# KiCad board EBAZ4205.kicad_pcb (continued)
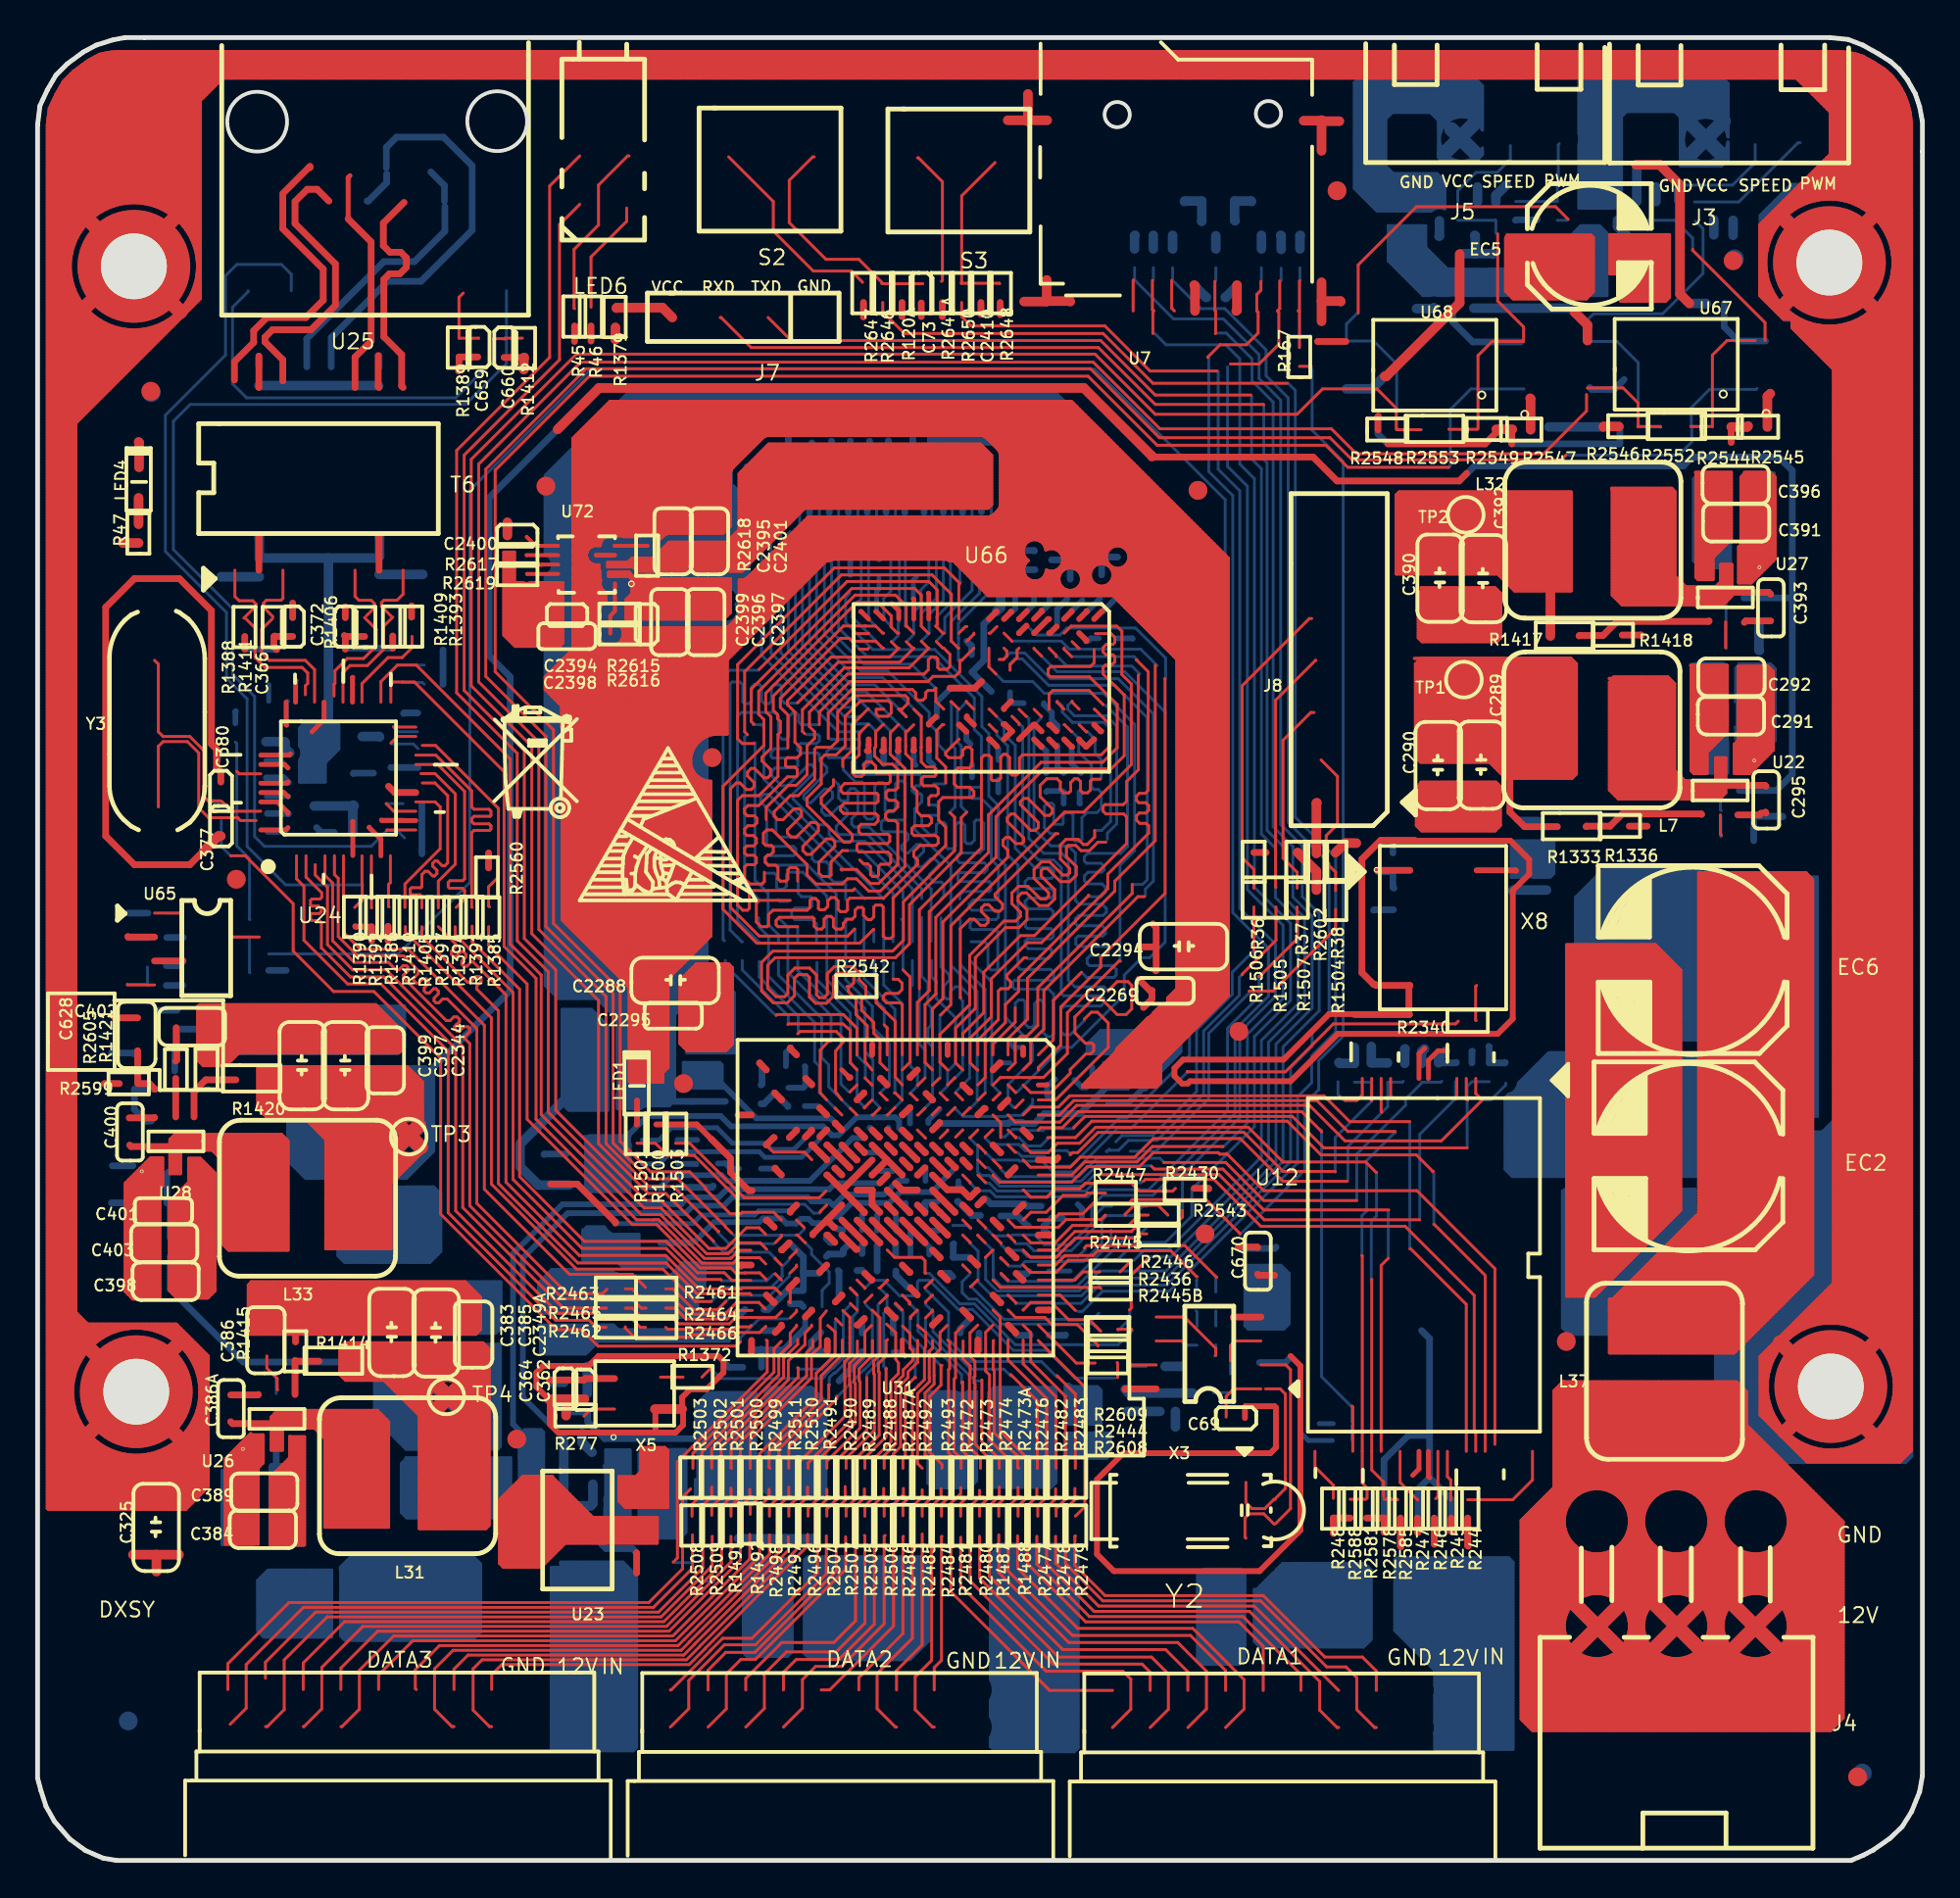
[diagram p0: board, top side]
## Routing (per net, layer and track width the routed paths; a pad name or vN(x,y) marks a point on that pad's centre or on a via; arc(x,y) is an arc through that point) (continued)
  Top w0.356: 44,34.48 44,34.5 42.01,36.49 41.99,36.49 ; 76.1,18.23 76.1,16.75 76.12,16.73 ; 49.65,32.05 50.01,31.69 50.03,31.69 ; 39.58,28.5 39.58,28.43 39.25,28.1 ; 45.21,38.08 45.6,37.69 45.6,37.68 ; 50.84,34.09 51.25,33.68 51.25,33.68 ; 14.98,26.58 13.73,26.58 13.7,26.6 13.7,24.8 ; 45.21,29.3 45.21,29.29 45.62,28.88 ; 44.83,32.88 44.82,32.88 43.6,34.09 ; 53.25,37.28 54.18,37.28 54.3,37.4 ; 17.78,48.95 17.78,49.7 ; 39.2,38.48 39.17,38.48 38.78,38.08 ; 70.72,18.23 71.7,18.23 ; 41.19,38.08 41.22,38.08 41.99,37.31 41.99,37.28 ; 41.99,38.08 42.02,38.08 43.22,36.88 ; 12.62,65.17 12.65,65.15 13.58,65.15 ; 40.05,43.25 40.05,43.21 40.39,42.88 ; 46.01,36.49 46,36.49 44.41,38.08 ; 27.23,24.53 27.28,24.48 27.28,23.33 ; 39.23,40.85 39.58,40.49 39.58,40.48 ; 5.33,43.1 5.33,41.38 5.35,41.35 5.95,41.35 6.25,41.05 ; 48.85,36.88 48.84,36.88 48.43,37.28 ; 63.62,28.9 63.65,28.93 65.1,28.93 ; 68.12,80.85 69.62,80.85 ; 20.12,56.84 19.01,56.84 18.68,57.17 ; 7.2,37.9 7.1,38 4.98,38 4.9,38.08 ; 91.97,55.75 91.95,55.78 91.95,55.8 ; 89.55,57.17 89.6,57.23 91.93,57.23 91.97,57.17 ; 43.2,41.68 43.22,41.68 ; 41.25,33.3 41.25,33.34 42.8,34.89 ; 51.22,82.28 51.22,82.92 ; 45.21,34.89 45.62,34.48 ; 41.99,34.09 42.38,33.7 42.4,33.7 ; 11.78,68.67 11.78,70.45 11.78,70.45 ; 8.85,53.75 8.1,53 5.15,53 3.62,54.53 3.62,66.7 5.15,68.23 7.55,68.23 9.25,66.53 9.25,59.42 9.53,59.15 9.53,58.15 9.75,57.92 9.75,57.4 ; 49.23,41.28 49.61,40.9 49.62,40.9 ; 46.82,34.09 46.84,34.09 47.99,32.94 ; 51.22,42.45 51.21,42.45 50.84,42.08 ; 47.62,40.48 47.62,40.48 47.28,40.83 ; 47.22,34.5 47.21,34.5 46.82,34.89 ; 48.83,34.5 48.81,34.5 47.62,35.69 ; 40,32.88 39.62,32.49 39.58,32.49 ; 19.9,66.17 19.9,66.78 ; 47.62,36.49 48.41,35.7 49.18,35.7 49.58,35.3 49.62,35.3 50,35.68 ; 16.33,65.2 16.38,65.15 ; 16.38,65.15 16.38,64.48 ; 16.38,65.15 17.4,65.15 ; 51.25,40.08 51.25,40.09 51.64,40.48 ; 46.01,39.68 46.03,39.68 46.43,40.08 ; 59.53,48.62 59.53,49.68 59.35,49.85 ; 59.53,48.62 58.6,48.62 ; 59.53,48.62 59.53,47.38 59.5,47.35 ; 90.47,55.65 91.62,55.65 91.72,55.75 ; 52.83,38.5 52.83,38.5 52.45,38.88 ; 27.23,25.58 29.08,25.58 29.15,25.65 30.7,25.65 ; 64.93,31.2 64.97,31.15 65.83,31.15 ; 71.35,76.88 71.33,76.85 71.33,76.15 ; 14.43,90.1 14.5,90.1 ; 46.01,34.09 47.23,32.88 ; 49.23,37.28 49.6,36.9 ; 57.88,25.08 57.9,25.1 59.53,25.1 ; 12.18,28.58 13.23,28.58 13.73,28.08 13.73,27.6 ; 49.62,34.48 49.62,34.49 49.23,34.89 ; 48.03,32.08 48.03,32.09 47.62,32.49 ; 7.35,39.58 7.35,41.62 ; 42.8,36.49 42.43,36.85 42.43,36.85 ; 42.8,33.29 43.56,32.53 43.6,32.53 ; 28.58,80.85 28.58,81.67 ; 71.85,75.4 77.03,75.4 77.62,76 77.62,76.17 ; 44.41,36.49 44.41,36.49 45.21,37.28 ; 38.03,35.65 37.85,35.65 36.88,36.62 36.88,37.38 35.85,38.4 ; 90.12,75.48 90.12,76.3 ; 19.45,78.4 19.38,78.47 19.38,80.15 18.43,81.1 18.43,84.15 18.73,84.45 19.28,84.45 19.62,84.8 19.62,85.3 19.33,85.6 18.75,85.6 18.4,85.95 18.4,87.15 19.5,88.25 ; 47.25,37.68 47.23,37.68 46.82,38.08 ; 48.05,31.25 48.07,31.25 48.43,30.89 ; 61.55,35.78 62.3,35.78 62.33,35.75 ; 42.45,39.25 42.45,39.23 42.8,38.88 ; 41.19,41.28 41.19,41.31 40.88,41.62 ; 73.03,52.7 71.33,52.7 71.3,52.68 ; 68.95,17.4 68.95,18.23 69.85,18.23 ; 43.97,40.85 43.97,40.85 43.6,40.48 ; 42.8,30.1 42.8,30.07 42.45,29.73 ; 42.43,32.9 42.03,33.29 41.99,33.29 ; 50.84,38.08 51.25,37.68 51.25,37.68 ; 10.55,41.55 8.95,41.55 8.33,40.93 8.33,39.58 ; 48.43,38.08 48.83,37.68 48.85,37.68 ; 46.4,32.88 46.4,32.9 45.21,34.09 ; 52.45,34.89 52.44,34.89 52.05,34.5 ; 50.03,27.1 50.03,27.11 50.03,27.7 ; 24,52.83 24,53.62 ; 44,28.85 43.65,28.5 43.6,28.5 ; 10.28,24.78 11.73,24.78 11.75,24.8 ; 47.62,38.88 48,39.26 48,39.28 ; 73.28,54.3 71.47,54.3 70.47,53.3 70.47,47.25 71.1,46.62 71.18,46.62 71.22,46.58 73.03,46.58 72.97,46.53 72.97,45.05 73,45.03 70.08,45.03 ; 53.83,29.3 53.82,29.3 53.25,29.3 ; 48.43,33.29 48.42,33.29 47.62,34.09 ; 18.9,64.53 18.9,65.17 ; 40.85,28.93 41.19,29.27 41.19,29.3 ; 42.8,38.08 43.25,37.63 43.25,37.62 43.59,37.28 43.6,37.28 ; 46.01,37.28 46.42,36.88 46.43,36.88 ; 80.88,55.03 79.12,55.03 78.35,55.8 78.35,58.23 76.72,59.85 ; 37.98,31.69 37.44,31.69 37.43,31.68 ; 51.25,29.68 51.25,29.68 50.84,30.1 ; 47.03,82.17 47.03,82.9 ; 51.64,32.49 52.06,32.08 52.08,32.08 ; 46.01,31.69 46.41,31.3 46.43,31.3 ; 43.6,38.08 44,37.69 44,37.68 ; 50.34,35.19 50.33,35.19 50.03,34.89 ; 39.2,29.7 39.18,29.7 38.78,30.1 ; 18.17,68.67 18.17,70.45 18.18,70.45 ; 46.43,34.48 46.42,34.48 45.21,35.69 ; 44.41,37.28 42.85,35.73 42.85,35.73 ; 46.43,41.68 46.43,41.68 46.82,42.08 ; 13.58,66.15 13.58,66.92 ; 44.83,36.08 45.21,36.46 45.21,36.49 ; 50.03,39.68 50.38,40.03 50.43,40.03 ; 38.43,42.45 38.43,42.43 38.78,42.08 ; 40.39,30.89 40.39,30.86 39.97,30.45 ; 72.55,16.7 72.53,16.73 72.53,18.23 ; 7.38,44.33 7.38,43.25 7.4,43.23 7.4,42.6 7.35,42.55 ; 13.12,88.8 14.5,90.17 ; 64.72,53.65 65.38,53.65 ; 41.62,38.53 41.98,38.88 41.99,38.88 ; 82.4,55.03 82.43,55.05 83.68,55.05 84.33,55.7 88.53,55.7 88.55,55.67 ; 92.22,67.4 92.12,67.5 89.55,67.5 ; 11.03,64.48 11.03,65.15 ; 46.45,30.48 46.45,30.46 46.82,30.1 ; 42.03,27.12 42.03,27.67 ; 44.85,41.62 44.86,41.62 45.21,41.28 ; 49.23,38.08 49.61,37.7 49.62,37.7 ; 43.86,38.61 44,38.48 44,38.48 43.6,38.88 ; 59.3,74.73 59.33,74.7 67.88,74.7 69.15,73.42 75.65,73.42 76.05,73.83 ; 31.88,15.3 31.88,16.38 ; 18.12,80.1 18.12,78.45 18.17,78.4 ; 46.8,37.3 46.8,37.3 46.01,38.08 ; 43.6,35.69 44.41,35.69 44.43,35.68 ; 38.81,34.09 39.2,33.7 ; 39.58,36.49 39.25,36.82 39.25,36.85 ; 50.22,62.75 49.88,62.4 48.55,62.4 ; 13.05,88.73 13.05,86.85 15.2,84.7 15.2,83.05 14.28,82.13 12.2,82.13 11.5,81.42 11.5,80.8 10.48,79.78 10.48,78.8 ; 38.78,34.06 38.81,34.06 ; 46.82,36.49 46.84,36.49 47.22,36.88 ; 47.62,28.5 48.03,28.9 ; 42.8,34.09 44,32.89 44,32.88 ; 44.41,30.89 44.38,30.89 44.03,31.25 ; 13.05,78.75 13.05,79.88 12.1,80.83 12.1,81.08 12.5,81.48 14.55,81.48 15.85,82.78 15.85,84.98 13.7,87.13 13.7,88.3 14.35,88.95 14.88,88.95 15.5,88.33 ; 50.2,82.3 50.2,82.92 ; 10.28,23.35 10.38,23.25 12.7,23.25 12.73,23.28 ; 7.73,47.9 7.7,47.88 6.23,47.88 ; 27.3,36 28.73,36 30.75,33.98 30.75,33.93 ; 43.95,82.15 43.95,82.92 ; 44.41,35.69 44.41,34.92 44.83,34.5 ; 6.23,49.15 4.83,49.15 4.8,49.18 ; 58.85,45.4 59.3,45.85 59.3,46.3 59.2,46.3 58.6,46.9 ; 47.62,38.08 48.03,37.68 48.05,37.68 ; 6.23,39.55 6.2,39.53 4.88,39.53 ; 46.01,38.88 46.42,38.48 46.43,38.48 ; 40.39,38.88 40.39,38.86 40,38.48 ; 63.9,32.65 64.9,32.65 64.93,32.62 ; 47.62,34.89 48,34.51 48,34.48 48.04,34.48 48.43,34.09 ; 37.98,39.68 37.28,39.68 37.28,39.68 ; 53.83,33.28 53.83,33.3 53.83,33.3 53.82,33.29 53.25,33.29 ; 46,82.17 46,82.92 ; 74.33,16.83 74.33,18.23 ; 11.78,78.4 11.78,80.07 ; 47.62,37.28 48.42,36.49 48.43,36.49 ; 51.64,28.5 52.05,28.09 52.05,28.08 ; 75.25,17.5 75.22,17.53 75.22,18.23 ; 73.45,17.45 73.43,17.48 73.43,18.23 ; 49.65,28.88 49.65,28.88 49.23,29.3 ; 71.65,17.48 71.65,18.23 ; 41.19,38.88 41.19,38.84 40.85,38.5 ; 52.08,31.25 52.43,30.89 52.45,30.89 ; 90.83,65.9 90.9,65.98 92.22,65.98 ; 45.21,38.88 45.59,38.5 45.6,38.5 ; 4.1,44.85 5.33,44.85 ; 12.73,64.45 12.58,64.6 12.58,65.15 ; 40.05,34.5 40.05,34.55 40.39,34.89 ; 44.8,38.5 44.79,38.5 44.41,38.88 ; 41.62,31.3 41.62,31.32 41.99,31.69 ; 23.43,80.03 22.43,80.03 22.43,79.3 22.4,79.28 ; 52.03,36.88 51.64,36.49 51.64,36.49 ; 44.41,34.09 45.62,32.87 ; 85.35,65.2 85.33,65.23 84.33,65.23 ; 82.03,65.17 82.05,65.2 83.3,65.2 84.05,65.95 88.93,65.95 88.95,65.98 ; 16.38,66.15 16.38,66.73 ; 24.83,80 25.9,80 ; 16.89,78.4 16.89,80.02 17.75,80.88 17.75,86.15 16.53,87.38 ; 48.15,82.17 48.15,82.92 ; 84.7,55.05 85.65,55.05 ; 45.65,36.05 46.01,35.69 46.82,35.69 ; 37.99,27.08 37.99,27.68 ; 29.45,80.88 29.45,81.67 ; 3.55,41.35 4.35,41.35 ; 78.45,75.4 78.45,76.15 ; 18.65,48.95 18.65,49.73 ; 41.63,40.05 41.99,39.68
  Top w0.508: 9.75,54.53 9.62,54.53 8.85,53.75 ; 25.9,80 25.88,79.98 25.88,79.35 ; 52.7,92.58 52.75,92.63 53.72,92.63 ; 52.7,92.58 52.7,94.03 ; 52.7,92.58 52.65,92.63 51.62,92.63 ; 63.78,82.48 63.83,82.52 63.83,83.85 ; 80.55,68.48 80.5,68.42 80.5,65.17 ; 68.38,83 69.33,83 69.35,82.98 ; 68.38,83 68.33,82.95 68.33,81.92 ; 68.38,83 68.33,83.05 68.33,84 ; 28.12,23.68 28.12,24.53 28.1,24.55 ; 67.38,92.6 68.3,92.6 68.33,92.63 ; 92.2,78.08 92.05,77.92 92.05,76.3 ; 91.03,76.35 90.97,76.3 90.12,76.3 ; 68.08,56.3 68.05,56.28 68.05,53.6 ; 71.7,79 71.78,79 75.68,82.9 75.68,85.5 ; 6.33,16.28 7.53,16.28 ; 6.33,16.28 6.33,15.38 ; 6.33,16.28 5.08,16.28 ; 85.08,90.25 86.33,90.25 87.4,89.17 87.4,83.38 87.9,82.88 ; 5.38,70.13 4.55,70.13 4.53,70.15 ; 33.78,82.13 33.25,82.65 30.83,82.65 30.8,82.63 ; 70.18,54.15 69.58,54.15 69.08,53.65 ; 27.68,76.17 29.88,78.38 55.68,78.38 59.3,74.75 59.3,74.73 ; 5.38,75.5 5.4,75.48 5.4,74.15 ; 79.43,77.83 79.45,77.8 79.45,76.15 ; 61.55,83.85 61.59,83.81 61.59,82.48 ; 81.8,82.4 82.47,81.73 82.47,80.9 ; 68.33,91 68.33,92.63 ; 68.33,92.63 68.38,92.58 69.28,92.58 ; 53.7,83 53.7,84.13 ; 53.7,83 53.68,82.98 52.5,82.98 ; 53.7,83 54.93,83 54.95,82.98 ; 83.33,76.3 83.35,76.33 84.15,76.33 ; 68.05,51.65 68.05,52.65 67.05,53.65 ; 30.75,80.95 30.75,81.6 ; 32.85,24.03 34.3,24.03 ; 27.23,24.53 27.25,24.55 29.1,24.55 ; 25,70.53 25,71.23 ; 5.38,71.13 5.38,72.53 ; 77.62,76.17 78.47,76.17
  Top w0.762: 18.82,39.54 20.39,37.96 ; 89.73,14.12 92.93,10.92 ; 18.69,37.51 20.29,39.11 ; 20.74,25.79 22.89,23.64 ; 81.35,14.1 84.48,10.97 ; 20.79,23.59 22.84,25.64 ; 85.73,10.97 88.93,14.17 ; 81.45,10.87 84.55,13.97 ; 85.65,14.05 89.28,10.42 ; 90.13,11.15 93.05,14.07
  In1.Cu w0.152: 58.64,51.6 58.64,51.93 ; 67.79,64.78 67.79,65.55 ; 9.02,32.41 39.08,32.41 ; 18.4,70.12 72.19,70.12 ; 49.75,40.42 49.75,55.55 ; 22.45,0.54 22.45,6.24 ; 75.3,43.33 76.83,43.33 ; 67.91,52.02 67.91,55.39 ; 47.61,30.37 49.29,30.37 ; 39.59,32.24 39.59,32.75 ; 60.13,9.04 60.28,9.04 ; 9.47,56.15 18.17,56.15 ; 40.23,75.16 40.23,95.6 ; 34.38,82.82 35.72,82.82 ; 71.72,75.77 71.72,76.75 ; 55.31,60.35 55.54,60.35 ; 44.76,66.06 45.29,66.06 ; 38.32,82.87 38.32,95.8 ; 61.94,31.39 62.55,31.39 ; 11.53,7.83 11.53,8.4 ; 18.51,15.83 18.51,39.5 ; 73.85,6.37 74.65,6.37 ; 29.18,0.54 29.18,33.09 ; 51.39,60.22 54.66,60.22 ; 2.85,60.35 12.86,60.35 ; 2.83,65.04 25.32,65.04 ; 68.92,61.74 69.73,61.74 ; 10.12,21.36 32.35,21.36 ; 34.2,15.77 66.16,15.77 ; 26.77,65.13 26.77,65.31 ; 44.67,49.9 44.67,58.78 ; 75.79,63.69 75.79,70.76 ; 56.74,0.53 56.74,6.27 ; 13.06,64.66 16.03,64.66 ; 2.9,44.47 35.54,44.47 ; 68.17,79.52 79.69,79.52 ; 73.25,9.98 73.25,17.11 ; 49.73,65.43 50.75,65.43 ; 43.93,88.41 44.16,88.41 ; 47.36,89.81 50.84,89.81 ; 2.85,59.46 18.41,59.46 ; 51.53,41.1 51.53,42.2 ; 47.34,38.89 47.34,39.67 ; 66.12,18.44 79.61,18.44 ; 64.99,77.77 64.99,83.67 ; 21.94,8.03 21.94,8.2 ; 87.8,52.47 93.14,52.47 ; 75.03,61.85 75.03,73.76 ; 70.54,35.33 81.54,35.33 ; 51.02,91.54 51.02,94.47 ; 71.47,53.03 71.47,55.37 ; 60.93,7.96 60.93,8.17 ; 63,81.05 78.17,81.05 ; 53.06,22.13 53.06,22.98 ; 69.95,0.53 69.95,6.48 ; 52.56,7.51 56.38,7.51 ; 14.57,0.55 14.57,6.31 ; 44.81,66.82 46.38,66.82 ; 9.28,87.78 14.73,87.78 ; 59.11,45.11 91.56,45.11 ; 75.03,9.95 75.03,17.18 ; 10.12,28.21 51.68,28.21 ; 8.06,46.38 36.22,46.38 ; 23.54,83.21 24.09,83.21 ; 45.96,33.04 46.86,33.04 ; 60.02,6.62 60.4,6.62 ; 83.79,51.79 83.79,52.29 ; 68.58,23.13 79.59,23.13 ; 42.77,53.14 42.77,53.54 ; 33.6,20.85 59.73,20.85 ; 70.47,43.33 72.4,43.33 ; 47.5,41.93 47.75,41.93 ; 15.84,90.74 15.84,96.32 ; 59.21,45.23 91.69,45.23 ; 2.82,67.84 33.19,67.84 ; 24.46,80.67 28.23,80.67 ; 54.33,59.67 54.33,61.31 ; 42.47,59.71 43.65,59.71 ; 42.67,57.3 47.93,57.3 ; 67.6,15.13 79.62,15.13 ; 85.78,51.46 93.14,51.46 ; 60.02,7.51 60.39,7.51 ; 63.98,33.74 63.98,46.78 ; 18.82,7.77 19.48,7.77 ; 59.66,9.86 59.66,16.43 ; 49.12,60.32 49.12,61.38 ; 40.52,7.51 40.87,7.51 ; 76.8,72.05 76.8,82.41 ; 51.15,34.03 51.15,36.49 ; 67.59,86.51 72.72,86.51 ; 40.61,26.59 40.61,28.55 ; 39.09,7.8 39.09,8.37 ; 75.92,63.7 75.92,70.73 ; 43.91,72.76 43.91,74.51 ; 35.53,0.54 35.53,6.18 ; 42.01,34.57 42.01,38.36 ; 39.72,44.84 39.72,50.88 ; 40.23,32.4 40.23,32.55 ; 65.73,53.49 93.13,53.49 ; 38.83,31.41 38.83,32.68 ; 58.01,25.45 58.01,25.97 ; 54.45,26.14 54.45,54.29 ; 8.94,32.53 38.98,32.53 ; 82.77,36.48 82.77,50.57 ; 49.37,72.75 49.37,74.46 ; 39.15,55.52 48.25,55.52 ; 14.34,17.67 59.76,17.67 ; 36.67,31.13 36.67,33.11 ; 66.77,84.18 66.77,95.81 ; 53.88,87.52 61.67,87.52 ; 54.45,0.53 54.45,25.46 ; 48.79,43.58 56.16,43.58 ; 37.23,37.1 42.9,37.1 ; 2.84,60.98 10.21,60.98 ; 46.75,37.1 46.9,37.1 ; 46.45,25.98 46.45,26.6 ; 13.59,60.22 14.23,60.22 ; 46.07,9.93 46.07,26.46 ; 44.25,40.41 44.66,40.41 ; 2.9,43.84 28.15,43.84 ; 13.69,0.55 13.69,6.31 ; 36.94,29.99 38.94,29.99 ; 21.04,7.39 21.27,7.39 ; 2.91,41.55 3.21,41.55 ; 34.6,7.13 34.75,7.13 ; 65.76,53.75 65.76,83.88 ; 20.47,88.03 20.77,88.03 ; 3.65,1.51 3.65,17.48 ; 58.2,25.29 79.58,25.29 ; 10.12,26.69 37.89,26.69 ; 47.53,28.6 49.33,28.6 ; 44.23,34.82 45.39,34.82 ; 48.44,82.44 69.89,82.44 ; 1.9,8.66 9.31,8.66 ; 58.01,29.66 58.01,31.62 ; 17.62,7.89 17.62,8.34 ; 28.8,81.17 29.19,81.17 ; 15.3,89.68 15.69,89.68 ; 63.77,79.4 67.4,79.4 ; 40.99,13.11 40.99,28.52 ; 10.73,9.8 11.52,9.8 ; 56.05,44.6 91.05,44.6 ; 19.04,7.39 19.26,7.39 ; 50.39,0.53 50.39,6.46 ; 70.04,6.62 70.43,6.62 ; 40.74,44.27 40.74,49.38 ; 59.4,83.71 60.28,83.71 ; 51.4,41.2 51.4,42.1 ; 51.91,25.29 51.91,25.48 ; 85.72,51.2 86.6,51.2 ; 2.88,51.07 39.66,51.07 ; 34.04,9.93 35.31,9.93 ; 66.46,19.45 79.61,19.45 ; 58.77,32.27 58.77,35.71 ; 65.37,93.92 65.37,95.67 ; 49.85,36.6 50.21,36.6 ; 76.14,8.78 79.65,8.78 ; 17.75,15.86 17.75,70.75 ; 43.59,36.72 46.06,36.72 ; 39.09,9.78 39.09,29.32 ; 8.94,34.44 37.18,34.44 ; 69.95,40.61 69.95,42.9 ; 88.72,63.52 93.11,63.52 ; 10.98,58.06 12.94,58.06 ; 26.39,66.67 26.39,96.32 ; 2.93,36.47 36.83,36.47 ; 57.12,9.97 57.12,21.53 ; 2.9,43.71 28.19,43.71 ; 49.19,41.8 60.83,41.8 ; 51.66,45.52 51.66,60.56 ; 41.12,60.24 41.12,72.01 ; 57.5,93.87 65.19,93.87 ; 71.35,60.85 73.46,60.85 ; 45.82,0.54 45.82,6.18 ; 46.42,47.26 55.16,47.26 ; 25.7,84.09 57.93,84.09 ; 70.07,36.28 70.07,42.88 ; 9.3,95.4 42.18,95.4 ; 47.59,37.49 48.51,37.49 ; 87.73,51.71 93.14,51.71 ; 28.76,44.22 34.97,44.22 ; 36.42,43.63 36.42,44.3 ; 13.5,60.73 18.83,60.73 ; 53.44,68.86 53.44,69.62 ; 52.04,25.31 52.04,25.56 ; 74.5,61.74 74.73,61.74 ; 59.53,0.53 59.53,6.21 ; 32.32,88.54 34.13,88.54 ; 49.82,30.88 51.14,30.88 ; 76.3,72.44 76.3,73.52 ; 47.21,38.92 47.21,39.66 ; 25.01,6.75 25.32,6.75 ; 64.61,46.64 64.61,46.9 ; 49.74,28.47 52.03,28.47 ; 43.5,72.28 43.76,72.28 ; 42.04,81.43 58.99,81.43 ; 38.83,0.54 38.83,6.75 38.55,6.75 ; 63.09,79.78 63.09,86.41 ; 1.9,8.91 9.22,8.91 ; 12.56,8.28 13.71,8.28 ; 74.39,34.23 74.39,36.3 ; 61.93,30.75 62.49,30.75 ; 87.57,48.66 93.15,48.66 ; 22.07,25.51 22.07,82.85 ; 29.62,88.67 30.7,88.67 ; 8.86,31.37 8.86,31.93 ; 43.15,40.41 43.15,40.56 ; 36.29,89.34 36.29,89.83 ; 42.13,60.11 42.13,71.98 ; 89.99,54.5 93.13,54.5 ; 36.8,45.61 48.86,45.61 ; 75.04,60.98 75.15,60.98 ; 18.57,9.93 19.73,9.93 ; 70.86,62.25 75.29,62.25 ; 29.18,42.17 29.18,80.59 ; 44.04,33.27 44.04,34.11 ; 83.03,76.56 83.03,78.17 ; 16.99,6.75 17.3,6.75 ; 28.54,81.24 28.54,87.27 ; 90.2,64.66 93.1,64.66 ; 42.37,72.66 42.83,72.66 ; 43.15,42.07 43.15,49.35 ; 89.75,70.12 93.09,70.12 ; 31.21,89.04 31.21,89.84 ; 59.15,45.65 59.15,47.17 ; 29.34,89.94 30.99,89.94 ; 10.12,22.88 35.07,22.88 ; 10.12,22.37 51.8,22.37 ; 26.13,93.41 26.13,96.32 ; 48.6,58.69 67.16,58.69 ; 64.14,7.01 64.3,7.01 ; 29.56,33.78 29.56,40.08 ; 60.55,9.7 60.55,16.15 ; 1.88,3.96 79.67,3.96 ; 21.31,25.4 21.31,64.14 ; 82.39,36.1 82.39,50.89 ; 27.4,9.61 27.4,25.22 ; 44.01,61.23 46.06,61.23 ; 52.04,91.34 52.04,94.36 ; 52.42,22.28 52.42,22.51 ; 68.17,51.27 68.17,39.14 55.53,39.14 ; 52.33,90.83 69.9,90.83 ; 7.46,50.78 7.46,79.33 ; 68.59,23.26 79.59,23.26 ; 41.12,0.54 41.12,6.38 ; 46.63,7.01 46.79,7.01 ; 9.24,29.3 9.24,55.97 ; 42.39,14.61 42.39,24.33 ; 54.57,65.81 67.39,65.81 ; 38.96,55.75 38.96,71.97 ; 92.43,45.95 92.43,75.4 ; 37.94,7.99 37.94,8.18 ; 40.36,32.95 40.36,34.29 ; 32.35,91.02 32.35,96.32 ; 61.82,0.53 61.82,6.37 ; 14.99,6.75 15.29,6.75 ; 2.91,40.03 18.41,40.03 ; 73.49,71.14 75.3,71.14 ; 75.15,61 75.15,61.09 ; 2.84,61.49 10.31,61.49 ; 49.25,75.22 49.25,94.65 ; 77.6,43.45 89.88,43.45 ; 52.16,61.87 53.89,61.87 ; 60.71,86.25 62.37,86.25 ; 21.69,0.54 21.69,6.33 ; 63.12,95.27 69.86,95.27 ; 13.18,20.24 13.18,46.98 ; 20.97,8.66 21.34,8.66 ; 73.15,43.33 74.65,43.33 ; 38.42,59.71 40.53,59.71 ; 46.53,72.28 46.77,72.28 ; 13.12,93.75 23,93.75 ; 65.63,77.58 65.63,92.03 ; 5.43,29.37 5.43,77.3 ; 10.81,6.5 11.45,6.5 ; 57.5,48.26 57.5,68.98 ; 36.6,9.16 36.76,9.16 ; 51.16,65.3 54.09,65.3 ; 44.8,65.23 44.8,65.36 ; 59.28,9.97 59.28,31.67 ; 16.73,88.79 16.73,89.2 ; 20.67,76.56 20.67,89.17 ; 46.83,67.47 46.83,72.17 ; 60.94,23.13 67.82,23.13 ; 89.36,61.62 93.11,61.62 ; 18.38,15.7 18.38,39.66 ; 44.17,49.76 44.17,59.93 ; 55.47,65 55.47,94 ; 40.61,82.57 40.61,90.01 ; 43.28,30.87 43.28,36.48 ; 69.31,0.53 69.31,6.15 ; 28.16,27.58 28.41,27.58 ; 42.9,58.62 42.9,72.08 ; 37.01,66.7 44.3,66.7 ; 13,8.78 13.26,8.78 ; 36.46,33.17 36.6,33.17 ; 49.89,31.01 50.96,31.01 ; 62.07,31.2 62.07,35.45 ; 53.09,23.26 60.2,23.26 ; 9.28,87.52 15.01,87.52 ; 56.82,36.72 58.95,36.72 ; 59.94,7.64 60.48,7.64 ; 9.29,91.71 10.01,91.71 ; 15.46,89.25 15.46,96.32 ; 19.78,76.56 19.78,87.42 ; 75.15,17.88 75.15,40.32 ; 66.14,9.16 66.31,9.16 ; 28.8,0.54 28.8,6.44 ; 51.91,91.44 51.91,94.37 ; 12.65,7.89 13.62,7.89 ; 43.19,86.89 44.79,86.89 ; 50.9,66.85 50.9,89.77 ; 58.14,84.47 58.14,86.21 ; 49.25,28.92 49.25,31.2 ; 58.9,7.95 58.9,8.17 ; 10.86,57.68 41.99,57.68 ; 55.19,58.95 67.15,58.95 ; 13.94,90.86 13.94,96.32 ; 71.08,69.74 72.53,69.74 ; 30.7,81.34 30.7,87.64 ; 60.04,7.48 60.04,8.64 ; 24.18,24.28 35.18,24.28 ; 81.49,74.44 93.08,74.44 ; 73.76,20.61 73.76,27.82 ; 76.04,7.56 76.04,8.57 ; 48.36,40.24 48.36,40.64 ; 89.38,72.52 89.38,78.13 ; 70.33,9.22 70.33,24.06 ; 66.39,93.31 66.39,95.78 ; 54.96,68.59 54.96,94.05 ; 40.44,51.07 55.67,51.07 ; 36.75,31.01 38.91,31.01 ; 64.99,53.75 64.99,77.18 ; 24.35,84.26 24.35,90.71 ; 52.88,60.6 53.17,60.6 ; 66.39,14.46 66.39,14.76 ; 84.71,52.34 86.54,52.34 ; 35.66,10 35.66,22.88 ; 18.4,15.26 18,15.26 18,15.11 ; 8.86,76.56 8.86,80.72 ; 68.97,56.54 69.65,56.54 ; 26,66.44 26,91.52 ; 67.53,84.17 67.53,86.29 ; 48.72,58.95 50.8,58.95 ; 12.98,6.75 13.29,6.75 ; 17.32,90.57 17.76,90.57 ; 19.75,62.5 47.42,62.5 ; 1.93,13.23 42.12,13.23 ; 10.12,21.74 32.23,21.74 ; 23.01,6.75 23.31,6.75 ; 43.66,33.07 43.66,34.31 ; 88.49,72.04 88.49,72.16 ; 22.42,25.29 26.95,25.29 ; 3.4,29.37 3.4,40.99 ; 14.25,84.09 21.92,84.09 ; 44.63,9.16 44.78,9.16 ; 68.76,59.46 69.89,59.46 ; 14.19,90.98 14.19,96.32 ; 39.34,30.07 39.34,30.91 ; 46.61,9.29 46.81,9.29 ; 42.24,81.68 77.53,81.68 ; 44.52,74.7 44.78,74.7 ; 17.62,9.86 17.62,13.81 ; 21.32,73.81 74.91,73.81 ; 5.94,0.55 5.94,17.5 ; 53.56,59.66 53.56,60.53 ; 45.01,66.57 50.64,66.57 ; 32.33,91.08 35.88,91.08 ; 37.56,60.26 37.56,72.92 ; 39.14,74.44 39.91,74.44 ; 9.27,81.68 32.96,81.68 ; 79.85,33.61 79.85,79.36 ; 40.78,44.22 44.75,44.22 ; 2.83,66.7 36.32,66.7 ; 56.99,32.11 56.99,37.46 ; 59.56,50.19 71.04,50.19 ; 43.78,34.83 43.78,37.35 ; 36.65,29.36 39.01,29.36 ; 30.45,0.54 30.45,33.22 ; 73.58,68.6 93.09,68.6 ; 47.47,0.53 47.47,6.21 ; 45.18,36.24 45.18,38.4 ; 39.75,82.44 40.55,82.44 ; 38.7,75.01 38.7,81.21 ; 40.29,59.08 44.56,59.08 ; 40.74,13 40.74,25.95 ; 42.9,41.2 42.9,41.43 ; 51.46,40.53 51.85,40.53 ; 53.33,86.89 58.33,86.89 ; 13.37,93.37 22.77,93.37 ; 25.5,84.3 25.5,91.02 ; 45.05,0.54 45.05,6.44 ; 66.31,92.48 69.88,92.48 ; 38.61,9.04 38.76,9.04 ; 72.04,17.42 73.06,17.42 ; 7.21,29.37 7.21,42.88 ; 17.75,89.23 17.75,89.65 ; 6.07,45.33 6.07,77.93 ; 36.89,66.19 44.36,66.19 ; 64.22,33.04 79.56,33.04 ; 59.28,81.66 59.28,83.71 ; 36.19,44.22 39.65,44.22 ; 79.09,0.52 79.09,55.2 ; 47.72,38.7 47.72,39.06 ; 70.58,9.7 70.58,31.82 ; 26.77,7.84 26.77,8.39 ; 31.08,81.16 31.08,87.31 ; 17.87,15.13 18.57,15.13 ; 37.62,34.95 50.12,34.95 ; 47.48,75.08 47.92,75.08 ; 27.15,20.18 27.15,25.19 ; 10.9,7.64 11.36,7.64 ; 77.11,40.79 87.17,40.79 ; 49.63,61.97 49.63,65.34 ; 51.66,26.23 51.66,28.04 ; 39.59,0.54 39.59,6.18 ; 54.07,59.67 54.07,61.35 ; 49.18,39.9 49.26,39.9 ; 27.02,25.91 27.02,26.93 ; 72.11,75.7 72.11,87.12 ; 19.03,40.66 19.17,40.66 ; 70.45,54.43 70.45,55.37 ; 17.07,7.13 17.22,7.13 ; 57.63,26.06 57.63,31.67 ; 20.42,91.01 20.42,96.32 ; 59.73,81.17 62.29,81.17 ; 43.76,51.46 55.54,51.46 ; 45.05,40.37 45.05,40.46 ; 25.5,0.54 25.5,6.49 ; 35.91,33.7 35.91,38.01 ; 45.19,72.79 47.11,72.79 ; 2.8,73.81 8.27,73.81 ; 39.58,29.61 42.81,29.61 ; 42.39,40.44 42.39,43.27 ; 71.46,8.15 73.03,8.15 ; 49.75,0.53 49.75,6.17 ; 28.8,7.81 28.8,8.41 ; 71.72,0.53 71.72,6.28 ; 2.89,47.9 52.26,47.9 ; 63.09,26.94 63.28,26.94 ; 2.9,43.58 7.23,43.58 ; 69.95,82.59 69.95,89.29 ; 18.68,55.27 38.41,55.27 ; 11.4,80.22 11.4,82.64 ; 60.04,63.27 67.4,63.27 ; 60.17,23.17 60.17,36.9 ; 47.58,74.7 47.82,74.7 ; 52.67,24.69 52.67,38.09 ; 72.27,32.02 79.56,32.02 ; 10.64,0.55 10.64,6.35 ; 4.54,70.54 4.54,76.42 ; 44.8,36.47 44.8,38.11 ; 25.37,84.38 25.37,90.94 ; 10.12,20.72 32.39,20.72 ; 2.81,71.39 8.27,71.39 ; 66.1,7.39 66.35,7.39 ; 43.4,89.28 43.4,95.27 ; 64.87,78.26 64.87,83.73 ; 57.12,69.54 57.12,92.03 ; 28.98,43.07 36.08,43.07 ; 60.55,86.86 60.55,94.41 ; 30.83,0.54 30.83,33.54 ; 76.42,38.11 76.42,40.23 ; 6.83,29.37 6.83,45.14 ; 36.42,83.05 36.42,87.06 ; 38.07,27.46 38.07,59.06 ; 43.9,65.04 44.27,65.04 ; 24.1,94.41 24.1,96.32 ; 3.84,75.71 8.27,75.71 ; 51.41,30.88 51.88,30.88 ; 53.56,41.66 53.56,58.89 ; 60.29,17.88 60.29,19.32 ; 35.78,45.72 35.78,67.38 ; 54.71,59.56 54.71,59.84 ; 10.12,19.58 12.93,19.58 ; 32.86,9.52 32.86,20.74 ; 42.01,82.85 42.01,86.82 ; 24.73,9.83 24.73,82.65 ; 70.96,64.74 70.96,65.59 ; 23.59,26.41 23.59,83.4 ; 23.05,6.88 23.27,6.88 ; 88.92,72.79 93.08,72.79 ; 48.37,40.66 48.51,40.66 ; 67.28,9.98 67.28,13.13 ; 61.31,34.69 71.51,34.69 ; 72.07,79.14 80.07,79.14 ; 36.94,81.43 38.26,81.43 ; 39.09,41.22 39.09,44.65 ; 87.22,52.98 87.22,78.14 ; 2.83,65.55 25.25,65.55 ; 27.1,9.16 27.25,9.16 ; 50.01,63.08 50.01,72.09 ; 64.61,48.8 64.61,77.61 ; 90.44,75.71 92.1,75.71 ; 44.5,9.55 44.91,9.55 ; 48.64,9.16 48.8,9.16 ; 45.18,7.86 45.18,8.31 ; 31.34,89.07 31.34,89.81 ; 29.81,0.54 29.81,33.25 ; 51.57,63.9 53.09,63.9 ; 3.91,1.25 3.91,17.48 ; 9.02,32.15 38.87,32.15 ; 46.32,37.26 46.32,38.09 ; 14.32,18 14.32,59.8 ; 18.89,7.68 18.89,8.55 ; 2.93,36.34 27.11,36.34 ; 46.96,37.17 46.96,37.41 ; 41.88,31.52 41.88,34.17 ; 48.29,81.81 77.41,81.81 ; 68.99,61.23 69.66,61.23 ; 36.16,83.04 36.16,86.89 ; 44.11,53.36 65.11,53.36 ; 52.29,65.87 52.29,66.33 ; 28.93,9.65 28.93,27.02 ; 51.66,65.24 51.66,87.01 ; 68.55,39.1 68.55,55.5 ; 40.36,90.8 40.36,95.59 ; 40.24,74.44 40.94,74.44 ; 24.48,8 24.48,8.23 ; 28.21,27.2 28.39,27.2 ; 14.19,18.14 14.19,19.68 ; 10.51,0.55 10.51,6.28 ; 49.44,67.84 54.79,67.84 ; 50.13,37.19 50.13,37.44 ; 48.99,75.14 48.99,94.68 ; 41.88,8.01 41.88,8.17 ; 1.94,15.51 17.28,15.51 ; 47,25.42 48.78,25.42 ; 47.21,65.25 47.21,65.35 ; 21,7.51 21.32,7.51 ; 37.18,82.48 37.18,89.79 ; 40.74,61.9 40.74,72.2 ; 4.03,1.12 4.03,17.48 ; 18.77,56.58 18.77,57.78 ; 61.07,16.53 79.62,16.53 ; 74.01,28.36 74.01,33.58 ; 44.38,29.48 44.47,29.48 ; 2.84,62.25 47.44,62.25 ; 36.04,0.54 36.04,6.24 37.33,6.24 ; 25.75,9.93 25.75,19.71 ; 83.72,76.35 91.46,76.35 ; 10.89,64.85 10.89,70.75 ; 44.17,38.78 44.17,39.72 ; 3.37,1.8 79.67,1.8 ; 2.86,56.15 8.78,56.15 ; 12.16,70.51 17.79,70.51 ; 44.8,58.69 44.8,49.8 58.96,49.8 ; 20.67,38.63 35.53,38.63 35.53,43.67 ; 72.74,43.59 72.74,68.41 ; 46.2,61.27 46.2,64.48 ; 17.04,6.88 17.25,6.88 ; 10.56,53.23 43.33,53.23 ; 43.91,61.28 43.91,64.11 ; 24.35,94.44 24.35,96.32 ; 18.51,70.25 72.16,70.25 ; 33.57,21.86 52.31,21.86 ; 38.69,63.14 50.17,63.14 ; 58.52,64.29 58.52,83.78 ; 43.36,13.99 66.21,13.99 ; 54.64,25.8 57.09,25.8 ; 60.47,94.38 69.87,94.38 ; 73.38,7.99 73.38,8.13 ; 29.56,91.32 29.56,96.32 ; 54.22,33.29 63.59,33.29 ; 75.99,7.64 79.65,7.64 ; 49.8,59.96 50.65,59.96 ; 88.95,71.52 93.08,71.52 ; 43.78,33.2 43.78,34.17 ; 42.51,74.88 42.51,86.72 ; 50.13,25.95 50.13,31.86 ; 63.88,8.4 64.56,8.4 ; 38.32,60.82 38.32,63.01 ; 70.71,62.28 70.71,62.98 ; 38.2,59.84 40.46,59.84 ; 36.61,9.04 36.76,9.04 ; 46.59,59.96 49.05,59.96 ; 20.52,88.29 20.72,88.29 ; 35.02,0.54 35.02,6.45 ; 2.89,2.29 2.89,17.47 ; 30.86,33.55 35.86,33.55 ; 66.47,84.22 66.78,84.22 ; 53.44,69.78 53.44,86.96 ; 18.17,87.65 18.95,87.65 ; 88.74,72.01 88.74,72.15 ; 41.37,40.35 41.37,60.13 ; 42.64,57.79 42.64,57.89 ; 66.05,93.75 69.87,93.75 ; 73.88,9.72 73.88,20.03 ; 28.96,80.79 29.07,80.79 ; 46.2,30.84 46.2,36.55 ; 28.8,9.79 28.8,26.98 ; 44.17,88.45 44.17,95.19 ; 48.99,64.26 48.99,64.83 ; 10.51,53.77 10.51,57.59 ; 41.37,91.65 41.37,95.48 ; 8.73,76.56 8.73,80.59 ; 71.47,61.62 73.87,61.62 ; 78.71,0.52 78.71,52.28 ; 22.83,84.46 22.83,91.66 ; 17.5,89.25 17.5,96.32 ; 53.07,86.76 58.11,86.76 ; 58.77,51.67 58.77,62.76 ; 33.37,68.07 33.37,81.29 ; 3.53,1.64 3.53,17.48 ; 51.91,23.03 51.91,23.43 ; 24.15,24.66 35.36,24.66 ; 83.82,50.95 84.31,50.95 ; 34.57,67.84 34.94,67.84 ; 40.78,26.44 44.84,26.44 ; 53.99,87.9 71.33,87.9 ; 53.56,69.3 53.56,87.07 ; 22.67,24.79 22.78,24.79 ; 48.36,37.1 48.36,38.24 ; 50.64,37.25 50.64,37.33 ; 46.71,26.09 46.71,28.6 ; 42.01,60.11 42.01,71.99 ; 44.98,65.04 45.07,65.04 ; 9.3,95.91 37.35,95.91 ; 9.01,33.17 29.08,33.17 ; 41.12,28.61 41.12,13.1 41.66,13.1 ; 37.36,91.46 40.74,91.46 ; 1.93,14.12 17.31,14.12 ; 53.94,38.82 53.94,40.97 ; 39.56,29.87 42.87,29.87 ; 40.41,34.44 41.23,34.44 ; 71.39,40.41 72.42,40.41 ; 12.54,9.93 12.54,25.32 ; 2.81,70.25 4.14,70.25 ; 43.66,40.25 43.66,41.51 ; 19.65,0.54 19.65,6.34 ; 13.11,64.54 15.99,64.54 ; 75.92,38.28 75.92,40.1 ; 23.98,25.17 41.73,25.17 ; 70.07,35.5 70.07,36.02 ; 9.62,28.92 9.62,70.75 ; 36.67,33.79 36.67,36.55 ; 71.47,64.16 93.1,64.16 ; 26.27,92.1 56.99,92.1 ; 43.02,9.71 43.02,12.58 ; 37.82,8.02 37.82,8.16 ; 1.9,8.28 9.7,8.28 ; 50.13,72.78 50.13,74.45 ; 23.03,9.42 23.29,9.42 ; 46.01,40.15 46.84,40.15 ; 48.2,41.3 48.65,41.3 ; 2.88,49.93 40.17,49.93 ; 40.86,75.11 40.86,81.39 ; 73.51,70.76 75.8,70.76 ; 11.65,0.55 11.65,6.33 ; 49.12,46.32 49.12,55.59 ; 50.26,7.85 50.26,8.32 ; 54.45,63.77 54.74,63.77 ; 49.11,34.18 49.36,34.18 ; 4.8,69.87 52.69,69.87 ; 54.96,60.46 54.96,61.32 ; 5.94,41.29 5.94,77.81 ; 14.57,7.94 14.57,8.28 ; 55.32,68.35 56.24,68.35 ; 44.42,30.64 44.42,38.4 ; 52.31,45.11 55.49,45.11 ; 26.95,6.62 27.39,6.62 ; 47.85,37.21 47.85,38.1 ; 45.46,66.06 46.04,66.06 ; 56.61,93.37 56.61,93.93 ; 48.23,75.19 48.23,81.79 ; 46.71,0.54 46.71,25.31 ; 44.42,72.69 44.42,74.54 ; 37.56,8.02 37.56,8.16 ; 51.53,89.07 51.53,89.66 ; 35.02,7.75 35.02,8.42 ; 63.47,9.94 63.47,26.21 ; 77.26,40.53 86.91,40.53 ; 75.03,0.53 75.03,6.17 ; 18.76,9.8 19.54,9.8 ; 2.94,32.91 8.27,32.91 ; 68.6,60.6 70.05,60.6 ; 37.05,0.54 37.05,6.42 ; 60.8,17.74 60.8,19.46 ; 9.51,56.28 13.13,56.28 ; 46.2,91.37 46.2,94.97 ; 9.29,89.68 13.65,89.68 ; 23.46,25.05 23.46,25.77 ; 76.42,0.53 76.42,37.74 ; 61.18,27.89 61.18,34.3 ; 34.01,7.97 34.01,8.21 ; 28.67,42.32 28.67,42.73 ; 47.21,42.04 47.21,46.13 ; 71.24,69.62 72.31,69.62 ; 20.41,37.87 43.66,37.87 ; 9.28,88.29 14.55,88.29 ; 2.9,44.85 35.51,44.85 ; 20.67,9.87 20.67,38.38 ; 72.99,40.9 72.99,42.87 ; 37.62,90.19 40.48,90.19 ; 55.25,66.82 56.42,66.82 ; 48.23,62.63 48.23,64.74 ; 34.01,68.08 34.01,81.23 ; 23.08,26.46 23.08,82.72 ; 74.04,28.21 79.57,28.21 ; 68.59,67.2 70.06,67.2 ; 2.85,59.08 38,59.08 ; 91.54,45.08 91.54,76.27 ; 2.93,36.6 36.62,36.6 ; 47.34,65.94 47.34,72.06 ; 54.45,64.38 54.45,65.37 ; 51.29,62.89 58.31,62.89 ; 61.86,84.09 62.26,84.09 ; 68.68,64.61 68.68,65.73 ; 60.68,84.32 60.68,86.22 ; 58.14,32.33 58.14,37.46 ; 72.87,71.2 72.87,71.49 ; 48.99,46.3 48.99,61.53 ; 20.45,88.67 20.79,88.67 ; 44.8,72.58 44.8,74.64 ; 12.8,64.84 12.8,70.75 ; 41.2,32.91 42.03,32.91 ; 71.35,30.75 79.56,30.75 ; 33.5,0.54 33.5,6.19 ; 46.96,59.24 46.96,60.46 ; 28.29,8.05 28.29,8.18 ; 63.04,81.43 77.79,81.43 ; 54.58,54.38 56.55,54.38 ; 59.89,9.67 60.52,9.67 ; 6.62,40.91 38.84,40.91 ; 50.01,0.53 50.01,6.22 ; 64.14,7.13 64.3,7.13 ; 71.22,8 71.22,8.12 ; 62.45,81.6 62.45,83.71 ; 12.55,9.93 13.71,9.93 ; 46.99,67.2 67.56,67.2 ; 34.53,6.75 34.82,6.75 ; 62.32,87.4 71.83,87.4 ; 40.36,62.01 40.36,72.13 ; 56.49,55.14 78.46,55.14 78.46,53 ; 58.89,46.63 64.3,46.63 ; 55.42,64.03 58.15,64.03 ; 36.24,38.37 38.82,38.37 ; 47.5,36.6 47.75,36.6 ; 18.77,76.56 18.77,87.9 18.36,87.9 ; 18.67,7.89 19.63,7.89 ; 72.61,69.75 72.61,69.87 ; 71.79,9.8 72.7,9.8 ; 78.84,55.78 78.84,75.32 ; 57.93,6.5 58.48,6.5 ; 74.52,7.65 74.52,8.48 ; 8.61,34.83 8.61,70.75 ; 10.12,22.5 51.71,22.5 ; 30.96,81.28 30.96,87.38 ; 29.69,91.12 29.69,96.32 ; 29.31,33.83 29.31,40.05 ; 37.43,91.4 37.43,95.9 ; 53.69,33.65 53.69,38.09 ; 52.41,37.87 54.61,37.87 ; 42.92,24.66 51.74,24.66 ; 44.93,26.52 44.93,29.33 ; 2.85,60.73 13,60.73 ; 9.49,56.49 9.49,70.75 ; 8.97,32.79 35.57,32.79 ; 30.2,0.54 30.2,33.08 ; 72.24,75.33 78.06,75.33 ; 11.27,9.45 11.27,64.17 ; 93.06,46.57 93.06,74.77 ; 46.72,88.92 51.41,88.92 ; 44.93,42.01 44.93,44.1 ; 58.26,52.34 58.26,62.97 ; 13.3,57.02 13.3,57.76 ; 72.11,39.17 72.11,72.29 ; 47.5,39.77 47.75,39.77 ; 80.49,76.69 80.49,78.72 ; 62.07,9.4 62.07,30.95 ; 45.56,89.53 45.56,95.04 ; 76.02,8.53 79.65,8.53 ; 53.06,24.4 69.63,24.4 ; 10.55,8.28 11.71,8.28 ; 60.17,17.86 60.17,19.34 ; 21.43,89.23 21.43,89.69 ; 42.78,24.4 52.31,24.4 ; 41.91,91.46 46.32,91.46 ; 58.52,84.47 58.52,86.12 ; 40.44,74.95 40.74,74.95 40.74,81.5 ; 48.68,57.17 56.45,57.17 ; 48.47,32.15 49.24,32.15 ; 15.34,9.56 15.34,70.75 ; 54.07,54.97 54.07,58.93 ; 29.08,9.29 32.77,9.29 ; 20.29,90.97 20.29,96.32 ; 56.48,0.53 56.48,6.48 ; 46.07,0.54 46.07,6.25 ; 24.45,6.24 25.88,6.24 ; 49.75,33.29 50.35,33.29 ; 65.37,19.54 65.37,53.26 ; 9.56,28.98 39.61,28.98 ; 18.93,64.92 25.28,64.92 ; 9.94,28.6 